# Altium PCB Sensor.PcbDoc (part 3 of 3) (continued)
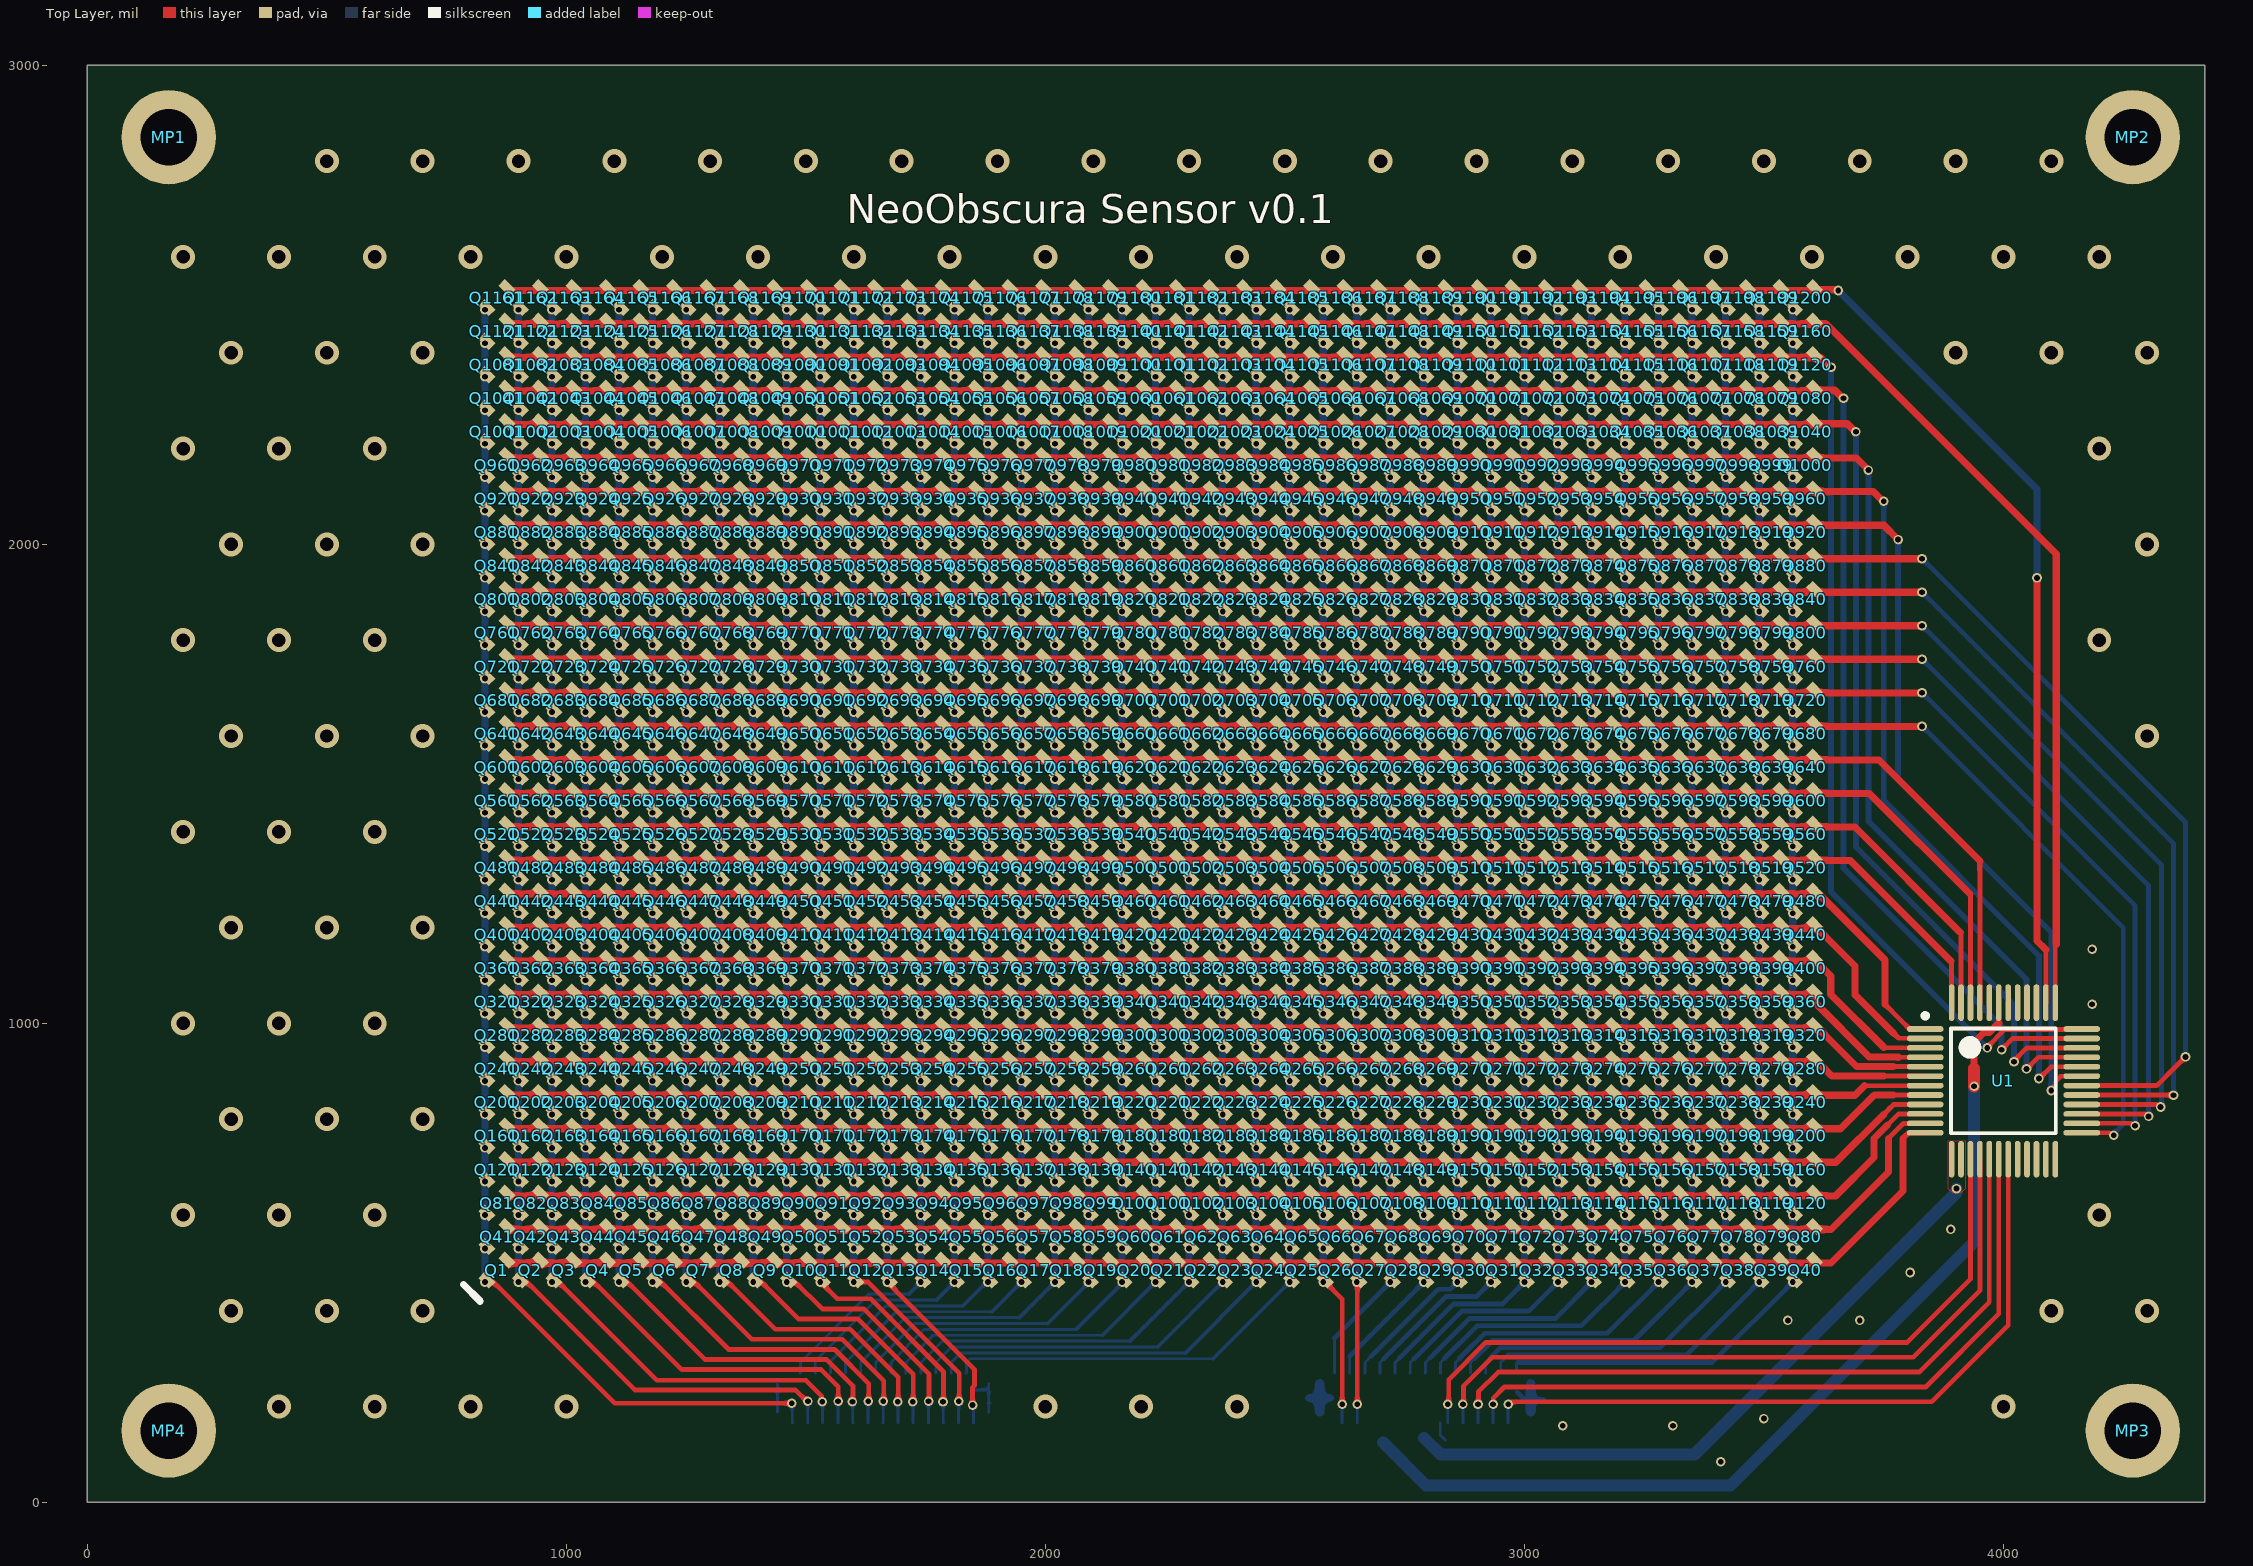
[diagram p0: Top Layer view]
## Nets (pads, with @x,y where several pads share a name; then routed paths per layer and width w, separated by ;. In a path a pad name is that pad's centre, name@x,y a point inside that pad or via, vN(x,y) a via of type N, cw(c..) or ccw(c..) an arc to the next point about the centre after c; other vN are vias at no path point) (continued)
  Bottom Layer w10: 2985,230 3000,215 3013.23,215 3040,215
  Bottom Layer w15: 2549.83,217.83 2572.28,217.83 2595.1,217.83
  Bottom Layer w20: J1.MP4@2572.28,189.09 2572.28,217.83 J1.MP3@2572.28,247.36 ; J1.MP2@3013.23,189.09 3013.23,215 J1.MP1@3013.23,247.36
  other v1: 3410,85 3080,160 3310,160 3500,175 3550,380 3700,380 3805,480 3890,570 4185,1040 4185,1155
  other v2: 400,200 600,200 800,200 1000,200 2000,200 2200,200 2400,200 4000,200 300,400 500,400 700,400 4100,400 4300,400 200,600 400,600 600,600 4200,600 300,800 500,800 700,800 200,1000 400,1000 600,1000 300,1200 500,1200 700,1200 200,1400 400,1400 600,1400 300,1600 500,1600 700,1600 4300,1600 200,1800 400,1800 600,1800 4200,1800 300,2000 500,2000 700,2000 4300,2000 200,2200 400,2200 600,2200 4200,2200 300,2400 500,2400 700,2400 3900,2400 4100,2400 4300,2400 200,2600 400,2600 600,2600 800,2600 1000,2600 1200,2600 1400,2600 1600,2600 1800,2600 2000,2600 2200,2600 2400,2600 2600,2600 2800,2600 3000,2600 3200,2600 3400,2600 3600,2600 3800,2600 4000,2600 4200,2600 500,2800 700,2800 900,2800 1100,2800 1300,2800 1500,2800 1700,2800 1900,2800 2100,2800 2300,2800 2500,2800 2700,2800 2900,2800 3100,2800 3300,2800 3500,2800 3700,2800 3900,2800 4100,2800
ROW_0: Q1.E Q2.E Q3.E Q4.E Q5.E Q6.E Q7.E Q8.E Q9.E Q10.E Q11.E Q12.E Q13.E Q14.E Q15.E Q16.E Q17.E Q18.E Q19.E Q20.E Q21.E Q22.E Q23.E Q24.E Q25.E Q26.E Q27.E Q28.E Q29.E Q30.E Q31.E Q32.E Q33.E Q34.E Q35.E Q36.E Q37.E Q38.E Q39.E Q40.E U1.12 | length 3144.3
  Top Layer w10: 3790,760 3801.39,771.39 3836.27,771.39 U1.12@3836.61,771.73
  Top Layer w15: Q1.E@875.88,500 945.88,500 1015.88,500 1085.88,500 1155.88,500 1225.88,500 1295.88,500 1370.06,500 1510.06,500 1580.06,500 1715.88,500 1785.88,500 1925.88,500 2065.88,500 2135.88,500 2205.88,500 2345.88,500 2485.88,500 2625.88,500 2695.88,500 2770.05,500 2840.05,500 2980.05,500 3120.05,500 3260.05,500 3325.88,500 3395.88,500 3470.05,500 3540.05,500 Q40.E@3610.05,500 ; Q40.E@3605.88,505.88 3609.19,505.88 3615.07,500 3640,500 3790,650 3790,760
ROW_1: Q41.E Q42.E Q43.E Q44.E Q45.E Q46.E Q47.E Q48.E Q49.E Q50.E Q51.E Q52.E Q53.E Q54.E Q55.E Q56.E Q57.E Q58.E Q59.E Q60.E Q61.E Q62.E Q63.E Q64.E Q65.E Q66.E Q67.E Q68.E Q69.E Q70.E Q71.E Q72.E Q73.E Q74.E Q75.E Q76.E Q77.E Q78.E Q79.E Q80.E U1.11 | length 3093.5
  Top Layer w10: 3760,760 3791.07,791.07 3836.27,791.07 U1.11@3836.61,791.42
  Top Layer w15: Q41.E@875.88,570 945.88,570 1015.88,570 1085.88,570 1155.88,570 1225.88,570 1295.88,570 1785.88,570 2135.88,570 2345.88,570 2555.88,570 2905.88,570 3255.88,570 3325.88,570 3640,570 3760,690 3760,760
ROW_2: Q81.E Q82.E Q83.E Q84.E Q85.E Q86.E Q87.E Q88.E Q89.E Q90.E Q91.E Q92.E Q93.E Q94.E Q95.E Q96.E Q97.E Q98.E Q99.E Q100.E Q101.E Q102.E Q103.E Q104.E Q105.E Q106.E Q107.E Q108.E Q109.E Q110.E Q111.E Q112.E Q113.E Q114.E Q115.E Q116.E Q117.E Q118.E Q119.E Q120.E U1.10 | length 3061.7
  Top Layer w10: 3758.05,788.05 3780.76,810.76 3836.27,810.76 U1.10@3836.61,811.1
  Top Layer w15: Q81.E@875.88,640 945.88,640 1015.88,640 1085.88,640 1155.88,640 1225.88,640 1295.88,640 1575.88,640 1785.88,640 1995.88,640 2205.88,640 2415.88,640 2625.88,640 2975.88,640 3185.88,640 3255.88,640 3465.88,640 3605.88,640 Q120.E@3610.05,640 ; Q120.E@3605.88,645.88 3609.19,645.88 3615.07,640 3650,640 3730,720 3730,760 3758.05,788.05
ROW_3: Q121.E Q122.E Q123.E Q124.E Q125.E Q126.E Q127.E Q128.E Q129.E Q130.E Q131.E Q132.E Q133.E Q134.E Q135.E Q136.E Q137.E Q138.E Q139.E Q140.E Q141.E Q142.E Q143.E Q144.E Q145.E Q146.E Q147.E Q148.E Q149.E Q150.E Q151.E Q152.E Q153.E Q154.E Q155.E Q156.E Q157.E Q158.E Q159.E Q160.E U1.9 | length 3010.8
  Top Layer w10: 3750,810 3770.44,830.44 3836.27,830.44 U1.9@3836.61,830.79
  Top Layer w15: Q121.E@875.88,710 945.88,710 1015.88,710 1085.88,710 1155.88,710 1225.88,710 1295.88,710 1370.06,710 1510.06,710 1580.06,710 1715.88,710 1785.88,710 1925.88,710 2065.88,710 2135.88,710 2210.05,710 2280.05,710 2420.05,710 2560.05,710 2630.05,710 2765.88,710 2835.88,710 2980.05,710 3050.05,710 3190.05,710 3260.05,710 3395.88,710 3470.05,710 3605.88,710 3650,710 3750,810
ROW_4: Q161.E Q162.E Q163.E Q164.E Q165.E Q166.E Q167.E Q168.E Q169.E Q170.E Q171.E Q172.E Q173.E Q174.E Q175.E Q176.E Q177.E Q178.E Q179.E Q180.E Q181.E Q182.E Q183.E Q184.E Q185.E Q186.E Q187.E Q188.E Q189.E Q190.E Q191.E Q192.E Q193.E Q194.E Q195.E Q196.E Q197.E Q198.E Q199.E Q200.E U1.8 | length 2989.9
  Top Layer w10: 3770.47,850.47 U1.8@3836.61,850.47
  Top Layer w15: Q161.E@875.88,780 945.88,780 1015.88,780 1085.88,780 1155.88,780 1225.88,780 1295.88,780 1370.06,780 1510.06,780 1580.06,780 1715.88,780 1785.88,780 1925.88,780 2065.88,780 2135.88,780 2210.05,780 2280.05,780 2420.05,780 2560.05,780 2630.05,780 2765.88,780 2835.88,780 2975.88,780 3050.05,780 3185.88,780 3255.88,780 3330.05,780 3465.88,780 3605.88,780 3660,780 3730.47,850.47 3770.47,850.47
ROW_5: Q201.E Q202.E Q203.E Q204.E Q205.E Q206.E Q207.E Q208.E Q209.E Q210.E Q211.E Q212.E Q213.E Q214.E Q215.E Q216.E Q217.E Q218.E Q219.E Q220.E Q221.E Q222.E Q223.E Q224.E Q225.E Q226.E Q227.E Q228.E Q229.E Q230.E Q231.E Q232.E Q233.E Q234.E Q235.E Q236.E Q237.E Q238.E Q239.E Q240.E U1.7 | length 2969.1
  Top Layer w10: 3710,870 3836.46,870 U1.7@3836.61,870.16
  Top Layer w15: Q201.E@875.88,850 945.88,850 1015.88,850 1085.88,850 1155.88,850 1225.88,850 1295.88,850 1370.06,850 1510.06,850 1580.06,850 1715.88,850 1785.88,850 1925.88,850 2065.88,850 2135.88,850 2210.05,850 2280.05,850 2420.05,850 2560.05,850 2630.05,850 2765.88,850 2835.88,850 2975.88,850 3050.05,850 3185.88,850 3255.88,850 3330.05,850 3465.88,850 3605.88,850 3690,850 3710,870
ROW_6: Q241.E Q242.E Q243.E Q244.E Q245.E Q246.E Q247.E Q248.E Q249.E Q250.E Q251.E Q252.E Q253.E Q254.E Q255.E Q256.E Q257.E Q258.E Q259.E Q260.E Q261.E Q262.E Q263.E Q264.E Q265.E Q266.E Q267.E Q268.E Q269.E Q270.E Q271.E Q272.E Q273.E Q274.E Q275.E Q276.E Q277.E Q278.E Q279.E Q280.E U1.6 | length 2981.6
  Top Layer w10: 3750,890 3836.46,890 U1.6@3836.61,889.84
  Top Layer w15: Q241.E@875.88,920 945.88,920 1015.88,920 1085.88,920 1155.88,920 1225.88,920 1295.88,920 1575.88,920 1785.88,920 2135.88,920 2345.88,920 2835.88,920 3045.88,920 3395.88,920 3588.34,920 3598.39,930.06 3601.7,930.06 Q280.E@3605.88,925.88 3641.76,890 3750,890
ROW_7: Q281.E Q282.E Q283.E Q284.E Q285.E Q286.E Q287.E Q288.E Q289.E Q290.E Q291.E Q292.E Q293.E Q294.E Q295.E Q296.E Q297.E Q298.E Q299.E Q300.E Q301.E Q302.E Q303.E Q304.E Q305.E Q306.E Q307.E Q308.E Q309.E Q310.E Q311.E Q312.E Q313.E Q314.E Q315.E Q316.E Q317.E Q318.E Q319.E Q320.E U1.5 | length 2991.4
  Top Layer w10: 3770.13,909.87 3836.27,909.87 U1.5@3836.61,909.53
  Top Layer w15: Q281.E@880,990 1015.88,990 1225.88,990 1295.88,990 1505.88,990 1715.88,990 1925.88,990 2135.88,990 2345.88,990 2555.88,990 2835.88,990 3045.88,990 3255.88,990 3465.88,990 3610.05,990 3611.76,991.7 3693.46,910 3758.28,910 3758.41,909.87 3770.13,909.87
ROW_8: Q321.E Q322.E Q323.E Q324.E Q325.E Q326.E Q327.E Q328.E Q329.E Q330.E Q331.E Q332.E Q333.E Q334.E Q335.E Q336.E Q337.E Q338.E Q339.E Q340.E Q341.E Q342.E Q343.E Q344.E Q345.E Q346.E Q347.E Q348.E Q349.E Q350.E Q351.E Q352.E Q353.E Q354.E Q355.E Q356.E Q357.E Q358.E Q359.E Q360.E U1.4 | length 3036.8
  Top Layer w10: 3780.79,929.21 U1.4@3836.61,929.21
  Top Layer w15: Q321.E@875.88,1060 1085.88,1060 1225.88,1060 1295.88,1060 1370.06,1060 1510.06,1060 1580.06,1060 1715.88,1060 1785.88,1060 1790.06,1060 1930.06,1060 2070.05,1060 2140.05,1060 2210.05,1060 2350.05,1060 2490.05,1060 2630.05,1060 2700.05,1060 2835.88,1060 2905.88,1060 3045.88,1060 3185.88,1060 3260.05,1060 3400.05,1060 3540.05,1060 Q360.E@3610.05,1060 ; Q360.E@3605.88,1065.88 3610.05,1061.7 Q360.E@3610.05,1060 ; 3780.79,929.21 3779.07,929.21 3778.28,930 3720,930 3607.05,1042.95 3607.05,1055.38 3610.05,1058.39 Q360.E@3610.05,1060
ROW_9: Q361.E Q362.E Q363.E Q364.E Q365.E Q366.E Q367.E Q368.E Q369.E Q370.E Q371.E Q372.E Q373.E Q374.E Q375.E Q376.E Q377.E Q378.E Q379.E Q380.E Q381.E Q382.E Q383.E Q384.E Q385.E Q386.E Q387.E Q388.E Q389.E Q390.E Q391.E Q392.E Q393.E Q394.E Q395.E Q396.E Q397.E Q398.E Q399.E Q400.E U1.3 | length 3066.8
  Top Layer w10: 3750,950 3750.76,949.24 3836.27,949.24 U1.3@3836.61,948.9
  Top Layer w15: Q361.E@875.88,1130 1015.88,1130 1225.88,1130 1295.88,1130 1645.88,1130 1855.88,1130 2205.88,1130 2415.88,1130 2835.88,1130 3045.88,1130 3255.88,1130 3465.88,1130 Q400.E@3610,1130 ; Q400.E@3605.88,1135.88 3610.05,1131.7 3610.05,1128.39 3639.47,1098.97 3639.47,1060.53 3750,950
ROW_10: Q401.E Q402.E Q403.E Q404.E Q405.E Q406.E Q407.E Q408.E Q409.E Q410.E Q411.E Q412.E Q413.E Q414.E Q415.E Q416.E Q417.E Q418.E Q419.E Q420.E Q421.E Q422.E Q423.E Q424.E Q425.E Q426.E Q427.E Q428.E Q429.E Q430.E Q431.E Q432.E Q433.E Q434.E Q435.E Q436.E Q437.E Q438.E Q439.E Q440.E U1.2 | length 3093.1
  Top Layer w10: 3770,980 3781.07,968.93 3836.27,968.93 U1.2@3836.61,968.58
  Top Layer w15: Q401.E@875.88,1200 1085.88,1200 1225.88,1200 1295.88,1200 1715.88,1200 1925.88,1200 2065.88,1200 2205.88,1200 2350.05,1200 2555.88,1200 2765.88,1200 2905.88,1200 3115.88,1200 3255.88,1200 3330.05,1200 3465.88,1200 3540.05,1200 3541.76,1201.7 3543.37,1201.7 3547.12,1197.95 3612.05,1197.95 3690,1120 3690,1060 3770,980
ROW_11: Q441.E Q442.E Q443.E Q444.E Q445.E Q446.E Q447.E Q448.E Q449.E Q450.E Q451.E Q452.E Q453.E Q454.E Q455.E Q456.E Q457.E Q458.E Q459.E Q460.E Q461.E Q462.E Q463.E Q464.E Q465.E Q466.E Q467.E Q468.E Q469.E Q470.E Q471.E Q472.E Q473.E Q474.E Q475.E Q476.E Q477.E Q478.E Q479.E Q480.E U1.1 | length 3129
  Top Layer w10: 3752.4,1040 3804.13,988.27 U1.1@3836.61,988.27
  Top Layer w15: Q441.E@880,1270 1085.88,1270 1225.88,1270 1295.88,1270 1370.06,1270 1510.06,1270 1580.06,1270 1720.06,1270 1790.06,1270 1930.06,1270 2070.05,1270 2140.05,1270 2275.88,1270 2345.88,1270 2485.88,1270 2625.88,1270 2695.88,1270 2770.05,1270 2840.05,1270 2980.05,1270 3115.88,1270 3255.88,1270 3325.88,1270 3400.05,1270 3470.05,1270 3540.05,1270 3610.05,1270 3611.76,1271.7 3613.37,1271.7 3752.4,1132.67 3752.4,1040
ROW_12: Q481.E Q482.E Q483.E Q484.E Q485.E Q486.E Q487.E Q488.E Q489.E Q490.E Q491.E Q492.E Q493.E Q494.E Q495.E Q496.E Q497.E Q498.E Q499.E Q500.E Q501.E Q502.E Q503.E Q504.E Q505.E Q506.E Q507.E Q508.E Q509.E Q510.E Q511.E Q512.E Q513.E Q514.E Q515.E Q516.E Q517.E Q518.E Q519.E Q520.E U1.48 | length 3184.3
  Top Layer w10: 3890,1130 3891.73,1128.27 U1.48@3891.73,1043.39
  Top Layer w15: Q481.E@880,1340 1015.88,1340 1225.88,1340 1295.88,1340 1645.88,1340 1855.88,1340 2065.88,1340 2275.88,1340 2485.88,1340 2695.88,1340 2905.88,1340 3050.05,1340 3185.88,1340 3190.05,1340 3330.05,1340 3465.88,1340 3540.05,1340 3680,1340 3890,1130
ROW_13: Q521.E Q522.E Q523.E Q524.E Q525.E Q526.E Q527.E Q528.E Q529.E Q530.E Q531.E Q532.E Q533.E Q534.E Q535.E Q536.E Q537.E Q538.E Q539.E Q540.E Q541.E Q542.E Q543.E Q544.E Q545.E Q546.E Q547.E Q548.E Q549.E Q550.E Q551.E Q552.E Q553.E Q554.E Q555.E Q556.E Q557.E Q558.E Q559.E Q560.E U1.47 | length 3272.4
  Top Layer w10: 3910,1190 3911.42,1188.58 U1.47@3911.42,1043.39
  Top Layer w15: Q521.E@875.88,1410 1085.88,1410 1225.88,1410 1295.88,1410 1505.88,1410 1645.88,1410 1855.88,1410 2065.88,1410 2205.88,1410 2345.88,1410 2420.05,1410 2555.88,1410 2630.05,1410 2700.05,1410 2770.05,1410 2905.88,1410 2980.05,1410 3115.88,1410 3185.88,1410 3255.88,1410 3330.05,1410 3465.88,1410 3605.88,1410 3690,1410 3910,1190
ROW_14: Q561.E Q562.E Q563.E Q564.E Q565.E Q566.E Q567.E Q568.E Q569.E Q570.E Q571.E Q572.E Q573.E Q574.E Q575.E Q576.E Q577.E Q578.E Q579.E Q580.E Q581.E Q582.E Q583.E Q584.E Q585.E Q586.E Q587.E Q588.E Q589.E Q590.E Q591.E Q592.E Q593.E Q594.E Q595.E Q596.E Q597.E Q598.E Q599.E Q600.E U1.46 | length 3368.2
  Top Layer w10: 3930,1270 3931.1,1268.9 U1.46@3931.1,1043.39
  Top Layer w15: Q561.E@875.88,1480 1015.88,1480 1225.88,1480 1295.88,1480 1575.88,1480 1785.88,1480 1995.88,1480 2205.88,1480 2415.88,1480 2625.88,1480 2975.88,1480 3185.88,1480 3260.05,1480 3330.05,1480 3465.88,1480 3540.05,1480 3720,1480 3930,1270
ROW_15: Q601.E Q602.E Q603.E Q604.E Q605.E Q606.E Q607.E Q608.E Q609.E Q610.E Q611.E Q612.E Q613.E Q614.E Q615.E Q616.E Q617.E Q618.E Q619.E Q620.E Q621.E Q622.E Q623.E Q624.E Q625.E Q626.E Q627.E Q628.E Q629.E Q630.E Q631.E Q632.E Q633.E Q634.E Q635.E Q636.E Q637.E Q638.E Q639.E Q640.E U1.45 | length 3458
  Top Layer w10: U1.45@3950.79,1043.39 3950.79,1339.15
  Top Layer w15: Q601.E@875.88,1550 1015.88,1550 1225.88,1550 1295.88,1550 1575.88,1550 1785.88,1550 1995.88,1550 2205.88,1550 2415.88,1550 2625.88,1550 2975.88,1550 3185.88,1550 3260.05,1550 3330.05,1550 3465.88,1550 3540.05,1550 3739.94,1550 3950.79,1339.15
ROW_16: Q641.E Q642.E Q643.E Q644.E Q645.E Q646.E Q647.E Q648.E Q649.E Q650.E Q651.E Q652.E Q653.E Q654.E Q655.E Q656.E Q657.E Q658.E Q659.E Q660.E Q661.E Q662.E Q663.E Q664.E Q665.E Q666.E Q667.E Q668.E Q669.E Q670.E Q671.E Q672.E Q673.E Q674.E Q675.E Q676.E Q677.E Q678.E Q679.E Q680.E U1.25 | length 4054.7
  Top Layer w10: U1.25@4163.39,771.73 4221.98,771.73 4227.29,766.42 v1(4230,766.42)
  Top Layer w15: Q641.E@880,1620 1015.88,1620 1225.88,1620 1295.88,1620 1575.88,1620 1785.88,1620 1995.88,1620 2205.88,1620 2415.88,1620 2625.88,1620 2835.88,1620 3045.88,1620 3255.88,1620 3465.88,1620 v1(3830,1620)
  Bottom Layer w10: v1(3830,1620) 4250,1200 4250,790 4231.91,771.91 4231.91,768.33 v1(4230,766.42)
ROW_17: Q681.E Q682.E Q683.E Q684.E Q685.E Q686.E Q687.E Q688.E Q689.E Q690.E Q691.E Q692.E Q693.E Q694.E Q695.E Q696.E Q697.E Q698.E Q699.E Q700.E Q701.E Q702.E Q703.E Q704.E Q705.E Q706.E Q707.E Q708.E Q709.E Q710.E Q711.E Q712.E Q713.E Q714.E Q715.E Q716.E Q717.E Q718.E Q719.E Q720.E U1.26 | length 4155.7
  Top Layer w10: U1.26@4163.39,791.42 4266.67,791.42 4271.99,786.1 v1(4274.69,786.1)
  Top Layer w15: Q681.E@875.88,1690 1015.88,1690 1225.88,1690 1295.88,1690 1645.88,1690 1855.88,1690 2205.88,1690 2415.88,1690 2625.88,1690 2835.88,1690 3045.88,1690 3465.88,1690 v1(3830,1690)
  Bottom Layer w10: v1(3830,1690) 4274.69,1245.31 v1(4274.69,786.1)
ROW_18: Q721.E Q722.E Q723.E Q724.E Q725.E Q726.E Q727.E Q728.E Q729.E Q730.E Q731.E Q732.E Q733.E Q734.E Q735.E Q736.E Q737.E Q738.E Q739.E Q740.E Q741.E Q742.E Q743.E Q744.E Q745.E Q746.E Q747.E Q748.E Q749.E Q750.E Q751.E Q752.E Q753.E Q754.E Q755.E Q756.E Q757.E Q758.E Q759.E Q760.E U1.27 | length 4246
  Top Layer w10: U1.27@4163.39,811.1 4294.91,811.1 4300.22,805.79 v1(4302.93,805.79)
  Top Layer w15: Q721.E@875.88,1760 945.88,1760 1015.88,1760 1085.88,1760 1155.88,1760 1225.88,1760 1295.88,1760 1575.88,1760 1785.88,1760 2135.88,1760 2345.88,1760 2555.88,1760 2835.88,1760 3045.88,1760 3255.88,1760 3465.88,1760 v1(3830,1760)
  Bottom Layer w10: v1(3830,1760) 4302.93,1287.07 v1(4302.93,805.79)
ROW_19: Q761.E Q762.E Q763.E Q764.E Q765.E Q766.E Q767.E Q768.E Q769.E Q770.E Q771.E Q772.E Q773.E Q774.E Q775.E Q776.E Q777.E Q778.E Q779.E Q780.E Q781.E Q782.E Q783.E Q784.E Q785.E Q786.E Q787.E Q788.E Q789.E Q790.E Q791.E Q792.E Q793.E Q794.E Q795.E Q796.E Q797.E Q798.E Q799.E Q800.E U1.28 | length 4333.4
  Top Layer w10: U1.28@4163.39,830.79 4319.91,830.79 4325.22,825.47 v1(4327.93,825.47)
  Top Layer w15: Q761.E@875.88,1830 945.88,1830 1015.88,1830 1085.88,1830 1155.88,1830 1225.88,1830 1295.88,1830 1575.88,1830 1785.88,1830 1995.88,1830 2205.88,1830 2415.88,1830 2625.88,1830 2835.88,1830 3045.88,1830 3255.88,1830 3465.88,1830 v1(3830,1830)
  Bottom Layer w10: v1(3830,1830) 4330,1330 4330,835 4329.84,834.84 4329.84,827.39 v1(4327.93,825.47)
ROW_20: Q801.E Q802.E Q803.E Q804.E Q805.E Q806.E Q807.E Q808.E Q809.E Q810.E Q811.E Q812.E Q813.E Q814.E Q815.E Q816.E Q817.E Q818.E Q819.E Q820.E Q821.E Q822.E Q823.E Q824.E Q825.E Q826.E Q827.E Q828.E Q829.E Q830.E Q831.E Q832.E Q833.E Q834.E Q835.E Q836.E Q837.E Q838.E Q839.E Q840.E U1.29 | length 4413.3
  Top Layer w10: U1.29@4163.39,850.47 4354.57,850.47 v1(4355,850.04)
  Top Layer w15: Q801.E@875.88,1900 945.88,1900 1015.88,1900 1085.88,1900 1155.88,1900 1295.88,1900 1435.88,1900 1505.88,1900 1785.88,1900 2135.88,1900 2345.88,1900 2625.88,1900 2835.88,1900 2905.88,1900 3185.88,1900 3465.88,1900 v1(3830,1900)
  Bottom Layer w10: v1(3830,1900) 4355,1375 v1(4355,850.04)
ROW_21: Q841.E Q842.E Q843.E Q844.E Q845.E Q846.E Q847.E Q848.E Q849.E Q850.E Q851.E Q852.E Q853.E Q854.E Q855.E Q856.E Q857.E Q858.E Q859.E Q860.E Q861.E Q862.E Q863.E Q864.E Q865.E Q866.E Q867.E Q868.E Q869.E Q870.E Q871.E Q872.E Q873.E Q874.E Q875.E Q876.E Q877.E Q878.E Q879.E Q880.E U1.30 | length 4463.3
  Top Layer w10: U1.30@4163.39,870.16 4320.16,870.16 4359.12,909.12 v1(4380,930)
  Top Layer w15: Q841.E@875.88,1970 945.88,1970 1015.88,1970 1085.88,1970 1155.88,1970 1295.88,1970 1435.88,1970 1505.88,1970 1855.88,1970 2205.88,1970 2415.88,1970 2625.88,1970 2835.88,1970 2905.88,1970 3255.88,1970 3465.88,1970 v1(3830,1970)
  Bottom Layer w10: v1(3830,1970) 4380,1420 v1(4380,930)
ROW_22: Q881.E Q882.E Q883.E Q884.E Q885.E Q886.E Q887.E Q888.E Q889.E Q890.E Q891.E Q892.E Q893.E Q894.E Q895.E Q896.E Q897.E Q898.E Q899.E Q900.E Q901.E Q902.E Q903.E Q904.E Q905.E Q906.E Q907.E Q908.E Q909.E Q910.E Q911.E Q912.E Q913.E Q914.E Q915.E Q916.E Q917.E Q918.E Q919.E Q920.E U1.31 | length 4282.3
  Top Layer w10: v1(4100,860) 4100,862.71 4109,871.71 4109,879.28 4119.22,889.5 4163.04,889.5 U1.31@4163.39,889.84
  Top Layer w15: Q881.E@875.88,2040 945.88,2040 1015.88,2040 1085.88,2040 1155.88,2040 1225.88,2040 1435.88,2040 1505.88,2040 1645.88,2040 2065.88,2040 2205.88,2040 2415.88,2040 2555.88,2040 2835.88,2040 2905.88,2040 3050.05,2040 3120.05,2040 3325.88,2040 3395.88,2040 3470.05,2040 3540.05,2040 3610.05,2040 3611.76,2041.7 3613.37,2041.7 3615.02,2040.05 3749.95,2040.05 v1(3780,2010)
  Bottom Layer w12: v1(3780,2010) 3780,1510 4100,1190 v1(4100,860)
ROW_23: Q921.E Q922.E Q923.E Q924.E Q925.E Q926.E Q927.E Q928.E Q929.E Q930.E Q931.E Q932.E Q933.E Q934.E Q935.E Q936.E Q937.E Q938.E Q939.E Q940.E Q941.E Q942.E Q943.E Q944.E Q945.E Q946.E Q947.E Q948.E Q949.E Q950.E Q951.E Q952.E Q953.E Q954.E Q955.E Q956.E Q957.E Q958.E Q959.E Q960.E U1.32 | length 4322.6
  Top Layer w10: v1(4074,885) 4075,885 4099.53,909.53 U1.32@4163.39,909.53
  Top Layer w15: Q921.E@875.88,2110 945.88,2110 1015.88,2110 1085.88,2110 1155.88,2110 1225.88,2110 1435.88,2110 1505.88,2110 1715.88,2110 1995.88,2110 2135.88,2110 2345.88,2110 2555.88,2110 2765.88,2110 2835.88,2110 2905.88,2110 3185.88,2110 3400.05,2110 3535.88,2110 3610.05,2110 3611.76,2111.7 3613.37,2111.7 3615.02,2110.05 3728.6,2110.05 3748.65,2090 v1(3750,2090)
  Bottom Layer w12: v1(3750,2090) 3750,1465 4074,1141 v1(4074,885)
ROW_24: Q961.E Q962.E Q963.E Q964.E Q965.E Q966.E Q967.E Q968.E Q969.E Q970.E Q971.E Q972.E Q973.E Q974.E Q975.E Q976.E Q977.E Q978.E Q979.E Q980.E Q981.E Q982.E Q983.E Q984.E Q985.E Q986.E Q987.E Q988.E Q989.E Q990.E Q991.E Q992.E Q993.E Q994.E Q995.E Q996.E Q997.E Q998.E Q999.E Q1000.E U1.33 | length 4366
  Top Layer w10: v1(4048,905) 4048.79,905 4073,929.21 U1.33@4163.39,929.21
  Top Layer w15: Q961.E@875.88,2180 945.88,2180 1015.88,2180 1085.88,2180 1155.88,2180 1225.88,2180 1435.88,2180 1505.88,2180 1715.88,2180 1995.88,2180 2135.88,2180 2345.88,2180 2555.88,2180 2765.88,2180 2835.88,2180 2905.88,2180 3185.88,2180 3400.05,2180 3535.88,2180 3610.05,2180 3611.76,2181.7 3613.37,2181.7 3615.02,2180.05 3692.95,2180.05 v1(3718,2155)
  Bottom Layer w12: v1(3718,2155) 3718,1422 4048,1092 v1(4048,905)
ROW_25: Q1001.E Q1002.E Q1003.E Q1004.E Q1005.E Q1006.E Q1007.E Q1008.E Q1009.E Q1010.E Q1011.E Q1012.E Q1013.E Q1014.E Q1015.E Q1016.E Q1017.E Q1018.E Q1019.E Q1020.E Q1021.E Q1022.E Q1023.E Q1024.E Q1025.E Q1026.E Q1027.E Q1028.E Q1029.E Q1030.E Q1031.E Q1032.E Q1033.E Q1034.E Q1035.E Q1036.E Q1037.E Q1038.E Q1039.E Q1040.E U1.34 | length 4430
  Top Layer w10: v1(4022,919.97) 4022,922 4048.9,948.9 U1.34@4163.39,948.9
  Top Layer w15: Q1001.E@875.88,2250 945.88,2250 1015.88,2250 1085.88,2250 1155.88,2250 1225.88,2250 1295.88,2250 1435.88,2250 1505.88,2250 1715.88,2250 1925.88,2250 2135.88,2250 2345.88,2250 2555.88,2250 2765.88,2250 2835.88,2250 2905.88,2250 3185.88,2250 3400.05,2250 3535.88,2250 3610.05,2250 3611.76,2251.7 3673.94,2251.7 3690.65,2235 v1(3692,2235)
  Bottom Layer w12: v1(3692,2235) 3692,1368 4022,1038 v1(4022,919.97)
ROW_26: Q1041.E Q1042.E Q1043.E Q1044.E Q1045.E Q1046.E Q1047.E Q1048.E Q1049.E Q1050.E Q1051.E Q1052.E Q1053.E Q1054.E Q1055.E Q1056.E Q1057.E Q1058.E Q1059.E Q1060.E Q1061.E Q1062.E Q1063.E Q1064.E Q1065.E Q1066.E Q1067.E Q1068.E Q1069.E Q1070.E Q1071.E Q1072.E Q1073.E Q1074.E Q1075.E Q1076.E Q1077.E Q1078.E Q1079.E Q1080.E U1.35 | length 4471.6
  Top Layer w10: v1(3996,945) 4019.58,968.58 U1.35@4163.39,968.58
  Top Layer w15: Q1041.E@875.88,2320 945.88,2320 1015.88,2320 1085.88,2320 1155.88,2320 1225.88,2320 1295.88,2320 1435.88,2320 1505.88,2320 1715.88,2320 1925.88,2320 2135.88,2320 2345.88,2320 2555.88,2320 2765.88,2320 2835.88,2320 2905.88,2320 3185.88,2320 3400.05,2320 3535.88,2320 3611.66,2320 3613.37,2321.7 3647.94,2321.7 3664.65,2305 v1(3666,2305)
  Bottom Layer w12: v1(3666,2305) 3666,1324 3996,994 v1(3996,945)
ROW_27: Q1081.E Q1082.E Q1083.E Q1084.E Q1085.E Q1086.E Q1087.E Q1088.E Q1089.E Q1090.E Q1091.E Q1092.E Q1093.E Q1094.E Q1095.E Q1096.E Q1097.E Q1098.E Q1099.E Q1100.E Q1101.E Q1102.E Q1103.E Q1104.E Q1105.E Q1106.E Q1107.E Q1108.E Q1109.E Q1110.E Q1111.E Q1112.E Q1113.E Q1114.E Q1115.E Q1116.E Q1117.E Q1118.E Q1119.E Q1120.E U1.36 | length 4544.8
  Top Layer w10: v1(3966.24,948.76) 3966.24,950.59 4003.13,987.49 4128.85,987.49 4129.28,987.92 4163.04,987.92 U1.36@4163.39,988.27
  Top Layer w15: Q1081.E@875.88,2390 945.88,2390 1015.88,2390 1085.88,2390 1155.88,2390 1225.88,2390 1295.88,2390 1365.88,2390 1435.88,2390 1505.88,2390 1855.88,2390 1995.88,2390 2135.88,2390 2345.88,2390 2555.88,2390 2765.88,2390 2835.88,2390 2905.88,2390 3255.88,2390 3465.88,2390 3540.05,2390 3610.05,2390 3611.76,2391.7 3613.37,2391.7 3615.07,2390 3618.65,2390 3638.65,2370 v1(3640,2370)
  Bottom Layer w12: v1(3640,2370) 3640,1275 v1(3966.24,948.76)
ROW_28: Q1121.E Q1122.E Q1123.E Q1124.E Q1125.E Q1126.E Q1127.E Q1128.E Q1129.E Q1130.E Q1131.E Q1132.E Q1133.E Q1134.E Q1135.E Q1136.E Q1137.E Q1138.E Q1139.E Q1140.E Q1141.E Q1142.E Q1143.E Q1144.E Q1145.E Q1146.E Q1147.E Q1148.E Q1149.E Q1150.E Q1151.E Q1152.E Q1153.E Q1154.E Q1155.E Q1156.E Q1157.E Q1158.E Q1159.E Q1160.E U1.37 | length 4370.3
  Top Layer w10: U1.37@4108.27,1043.39 4108.27,1163.27 4110,1165
  Top Layer w15: Q1121.E@875.88,2460 945.88,2460 1015.88,2460 1085.88,2460 1155.88,2460 1225.88,2460 1295.88,2460 1365.88,2460 1435.88,2460 1505.88,2460 1575.88,2460 1645.88,2460 1715.88,2460 1855.88,2460 2065.88,2460 2275.88,2460 2625.88,2460 2835.88,2460 2905.88,2460 3115.88,2460 3325.88,2460 3465.88,2460 3535.88,2460 3630,2460 4110,1980 4110,1165
ROW_29: Q1161.E Q1162.E Q1163.E Q1164.E Q1165.E Q1166.E Q1167.E Q1168.E Q1169.E Q1170.E Q1171.E Q1172.E Q1173.E Q1174.E Q1175.E Q1176.E Q1177.E Q1178.E Q1179.E Q1180.E Q1181.E Q1182.E Q1183.E Q1184.E Q1185.E Q1186.E Q1187.E Q1188.E Q1189.E Q1190.E Q1191.E Q1192.E Q1193.E Q1194.E Q1195.E Q1196.E Q1197.E Q1198.E Q1199.E Q1200.E U1.38 | length 4446.7
  Top Layer w10: U1.38@4088.58,1043.39 4088.58,1153.58
  Top Layer w15: Q1161.E@875.88,2530 945.88,2530 1015.88,2530 1085.88,2530 1155.88,2530 1225.88,2530 1295.88,2530 1365.88,2530 1435.88,2530 1505.88,2530 1855.88,2530 2205.88,2530 2415.88,2530 2625.88,2530 2835.88,2530 2905.88,2530 3465.88,2530 3540.05,2530 3610.05,2530 3611.76,2531.7 3651.94,2531.7 3653.65,2530 v1(3655,2530) ; v1(4070,1930) 4070,1172.17 4088.58,1153.58
  Bottom Layer w15: v1(3655,2530) 4070,2115 v1(4070,1930)
ROW_SELECT_1: J1.20 U1.15 | length 1517.2
  Top Layer w6: v1(2840,205) v1@2841.98,206.98
  Top Layer w10: v1@2841.98,206.98 2841.98,256.36 2919.62,334 3799,334 3931.1,466.1 U1.15@3931.1,716.61
  Bottom Layer w6: J1.20@2840,166.46 v1(2840,205)
ROW_SELECT_2: J1.16 U1.16 | length 1512.3
  Top Layer w6: v1(2871.5,205) v1@2872.98,206.49
  Top Layer w10: v1@2872.98,206.49 2872.98,243.52 2932.46,303 3811.84,303 3950.79,441.95 U1.16@3950.79,716.61
  Bottom Layer w6: J1.16@2871.5,166.46 v1(2871.5,205)
ROW_SELECT_3: J1.12 U1.17 | length 1507.5
  Top Layer w6: v1(2902.99,205) v1@2903.98,205.99
  Top Layer w10: v1@2903.98,205.99 2903.98,230.68 2945.3,272 3824.68,272 3970.47,417.79 U1.17@3970.47,716.61
  Bottom Layer w6: J1.12@2902.99,166.46 v1(2902.99,205)
ROW_SELECT_4: J1.8 U1.18 | length 1502.6
  Top Layer w6: v1(2934.49,205) v1@2934.98,205.5
  Top Layer w10: v1@2934.98,205.5 2934.98,217.84 2958.14,241 3837.52,241 3990.16,393.64 U1.18@3990.16,716.61
  Bottom Layer w6: J1.8@2934.49,166.46 2934.49,200 v1(2934.49,205)
ROW_SELECT_5: J1.4 U1.19 | length 1497.7
  Top Layer w6: v1(2965.98,205) v1@2970.98,210
  Top Layer w10: v1@2970.98,210 3850.36,210 4009.84,369.48 U1.19@4009.84,716.61
  Bottom Layer w6: J1.4@2965.98,166.46 2965.98,200 v1(2965.98,205)
VCC: J1.34 J1.36 J1.38 J1.40 U1.43 | length 2009.4
  Top Layer w10: 3990.16,1000.16 U1.43@3990.16,1043.39
  Top Layer w15: 3938.74,906.26 3938.74,960.15 3959.43,980.85 3970.85,980.85 3990.16,1000.16
  Top Layer w25: v1(3938.74,868.74) 3938.74,906.26
  Bottom Layer w25: 2705,125 2795,35 3430,35 3938.74,543.74 v1(3938.74,868.74)
pads on no net: U1.39 U1.40 U1.41 U1.42 U1.44

## Polygon pours and split planes (outlines as drawn)
GND on Top Layer "NONET_L01_P004" (solid, remove dead copper, shelved, pour order 4): 0,3000 4420,3000 4420,0 0,0
+5 on Top Layer "NONET_L01_P012" (solid, shelved, pour order 12): 3885,755 3920,755 3920,655 3910,645 3895,645 3885,655
GND on Bottom Layer "NONET_L02_P000" (solid, remove dead copper, shelved, pour order 0): 0,3000 4420,3000 4420,0 0,0
+5 on Bottom Layer "NONET_L02_P010" (solid, remove dead copper, shelved, pour order 10): 2755,145 2785,115 2815,115 2815,185 2755,185
VCC on Bottom Layer "NONET_L02_P011" (solid, remove dead copper, shelved, pour order 11): 2678,132 2700,110 2734,110 2734,185 2678,185

## Silkscreen, mask and mechanical layers (free items; w line width, h text height)
Top Overlay:
  lines w15: 785.1,454.9 820,420
  text "NeoObscura Sensor v0.1" at 1585.21,2670 h60